# KiCad board LightRail_LPO_1.6T.kicad_pcb (continued)
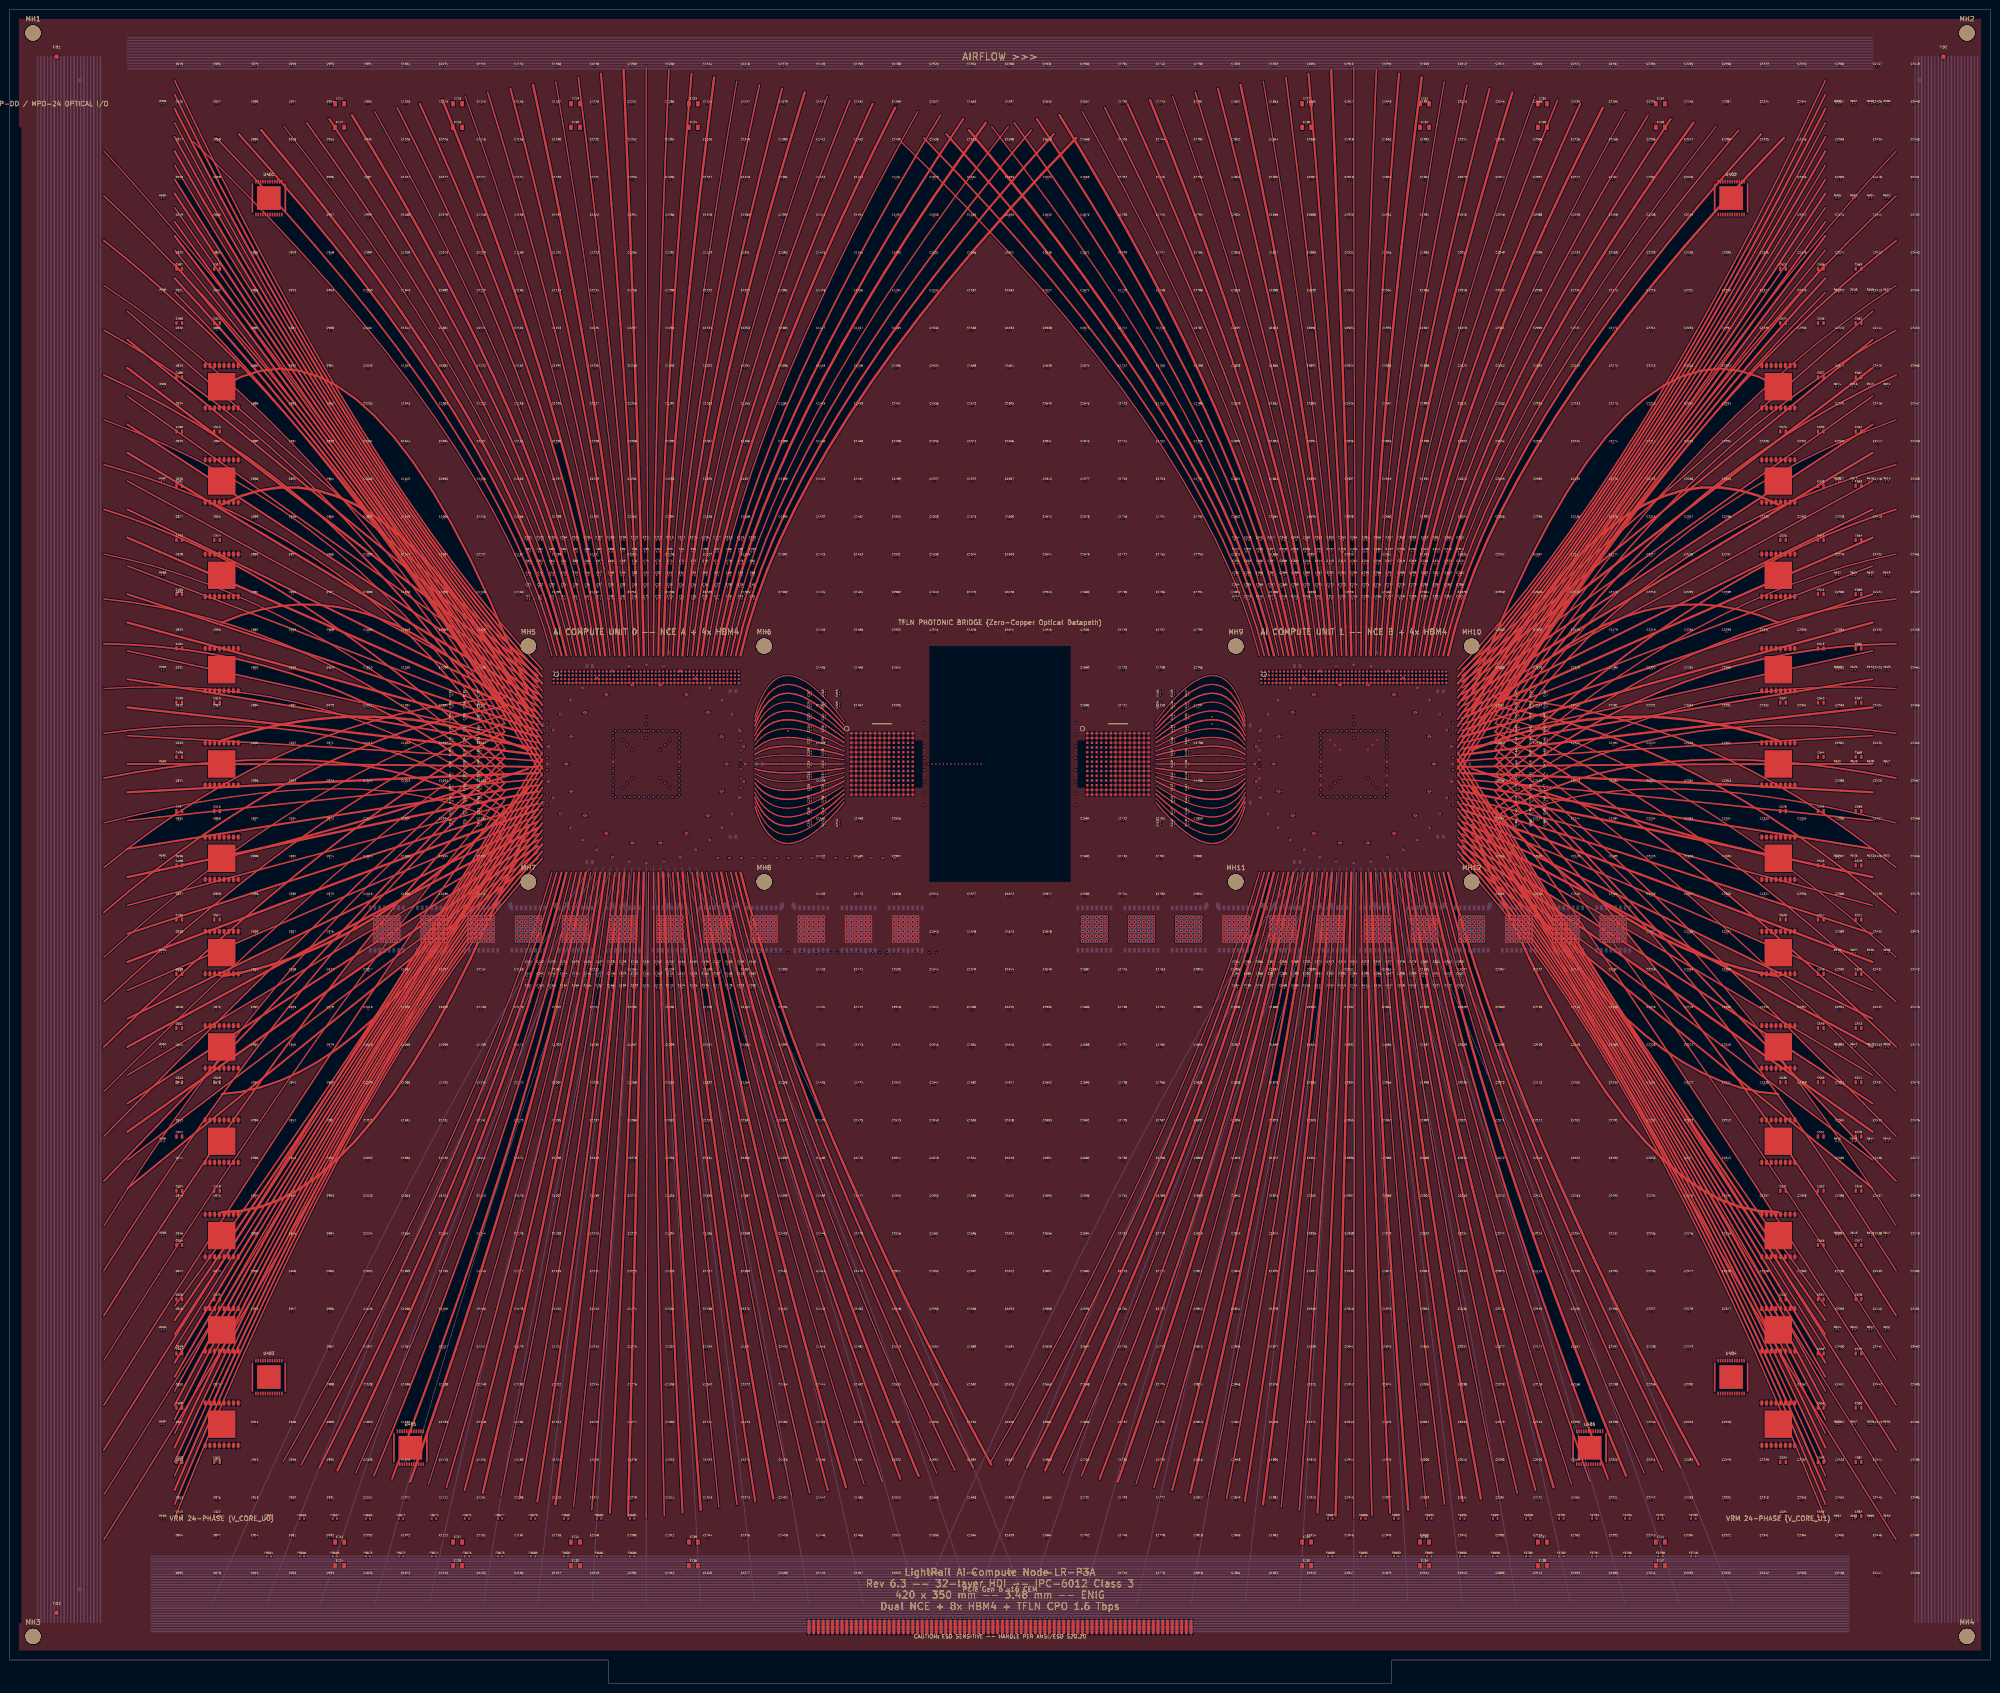
[diagram p0: board, top side]
## Routing (per net, layer and track width the routed paths; a pad name or vN(x,y) marks a point on that pad's centre or on a via; arc(x,y) is an arc through that point) (continued)
  In5.Cu w0.1: 64,190 110,190 64,190 ; 64,190 64,235 15,235 ; 64,190 64,75 15,75 ; 15,215 60,215 60,186 ; 62,192 62,245 15,245 ; 62,192 110,192 62,192 ; 62,192 62,85 15,85 ; 66,188 66,65 15,65 ; 66,188 110,188 66,188 ; 66,188 66,225 15,225 ; 172.8,15 172.8,24.92 173.55,25.16 173.55,25.64 172.05,26.12 172.05,26.6 173.55,27.08 173.55,27.56 172.8,27.8 172.8,32.92 173.55,33.16 173.55,33.64 172.05,34.12 172.05,34.6 173.55,35.08 173.55,35.56 172.8,35.8 172.8,40.92 173.55,41.16 173.55,41.64 172.05,42.12 172.05,42.6 173.55,43.08 173.55,43.56 172.8,43.8 172.8,48.92 173.55,49.16 173.55,49.64 172.05,50.12 172.05,50.6 173.55,51.08 173.55,51.56 172.8,51.8 172.8,56.92 173.55,57.16 173.55,57.64 172.05,58.12 172.05,58.6 173.55,59.08 173.55,59.56 172.8,59.8 172.8,64.92 173.55,65.16 173.55,65.64 172.05,66.12 172.05,66.6 173.55,67.08 173.55,67.56 172.8,67.8 172.8,72.92 173.55,73.16 173.55,73.64 172.05,74.12 172.05,74.6 173.55,75.08 173.55,75.56 172.8,75.8 172.8,80.92 173.55,81.16 173.55,81.64 172.05,82.12 172.05,82.6 173.55,83.08 173.55,83.56 172.8,83.8 172.8,88.92 173.55,89.16 173.55,89.64 172.05,90.12 172.05,90.6 173.55,91.08 173.55,91.56 172.8,91.8 172.8,96.92 173.55,97.16 173.55,97.64 172.05,98.12 172.05,98.6 173.55,99.08 173.55,99.56 172.8,99.8 172.8,104.92 173.55,105.16 173.55,105.64 172.05,106.12 172.05,106.6 173.55,107.08 173.55,107.56 172.8,107.8 172.8,112.92 173.55,113.16 173.55,113.64 172.05,114.12 172.05,114.6 173.55,115.08 173.55,115.56 172.8,115.8 172.8,120.92 173.55,121.16 173.55,121.64 172.05,122.12 172.05,122.6 173.55,123.08 173.55,123.56 172.8,123.8 172.8,128.92 173.55,129.16 173.55,129.64 172.05,130.12 172.05,130.6 173.55,131.08 173.55,131.56 172.8,131.8 172.8,136.92 173.55,137.16 173.55,137.64 172.05,138.12 172.05,138.6 173.55,139.08 173.55,139.56 172.8,139.8 172.8,144.92 173.55,145.16 173.55,145.64 172.05,146.12 172.05,146.6 173.55,147.08 173.55,147.56 172.8,147.8 172.8,152.92 173.55,153.16 173.55,153.64 172.05,154.12 172.05,154.6 173.55,155.08 173.55,155.56 172.8,155.8 172.8,160.92 173.55,161.16 173.55,161.64 172.05,162.12 172.05,162.6 173.55,163.08 173.55,163.56 172.8,163.8 172.8,168.92 173.55,169.16 173.55,169.64 172.05,170.12 172.05,170.6 173.55,171.08 173.55,171.56 172.8,171.8 v1(172.8,175) ; 60,202 60,135 15,135 ; 60,202 60,295 15,295 ; 60,202 110,202 60,202 ; 15,335 60,335 60,210 ; 62,200 110,200 62,200 ; 62,200 62,125 15,125 ; 62,200 62,285 15,285 ; 66,180 66,185 15,185 ; 66,180 110,180 66,180 ; 66,180 66,25 15,25 ; v1(225,14) 225,58 185,58 v1(185,175) 185,171.8 185.9,171.56 185.9,171.08 184.1,170.6 184.1,170.12 185.9,169.64 185.9,169.16 185,168.92 185,163.8 185.9,163.56 185.9,163.08 184.1,162.6 184.1,162.12 185.9,161.64 185.9,161.16 185,160.92 185,155.8 185.9,155.56 185.9,155.08 184.1,154.6 184.1,154.12 185.9,153.64 185.9,153.16 185,152.92 185,147.8 185.9,147.56 185.9,147.08 184.1,146.6 184.1,146.12 185.9,145.64 185.9,145.16 185,144.92 185,139.8 185.9,139.56 185.9,139.08 184.1,138.6 184.1,138.12 185.9,137.64 185.9,137.16 185,136.92 185,131.8 185.9,131.56 185.9,131.08 184.1,130.6 184.1,130.12 185.9,129.64 185.9,129.16 185,128.92 185,123.8 185.9,123.56 185.9,123.08 184.1,122.6 184.1,122.12 185.9,121.64 185.9,121.16 185,120.92 185,115.8 185.9,115.56 185.9,115.08 184.1,114.6 184.1,114.12 185.9,113.64 185.9,113.16 185,112.92 185,107.8 185.9,107.56 185.9,107.08 184.1,106.6 184.1,106.12 185.9,105.64 185.9,105.16 185,104.92 185,99.8 185.9,99.56 185.9,99.08 184.1,98.6 184.1,98.12 185.9,97.64 185.9,97.16 185,96.92 185,91.8 185.9,91.56 185.9,91.08 184.1,90.6 184.1,90.12 185.9,89.64 185.9,89.16 185,88.92 185,83.8 185.9,83.56 185.9,83.08 184.1,82.6 184.1,82.12 185.9,81.64 185.9,81.16 185,80.92 185,75.8 185.9,75.56 185.9,75.08 184.1,74.6 184.1,74.12 185.9,73.64 185.9,73.16 185,72.92 185,67.8 185.9,67.56 185.9,67.08 184.1,66.6 184.1,66.12 185.9,65.64 185.9,65.16 185,64.92 185,59.8 185.9,59.56 185.9,59.08 184.1,58.6 184.1,58.12 185.9,57.64 185.9,57.16 185,56.92 185,51.8 185.9,51.56 185.9,51.08 184.1,50.6 184.1,50.12 185.9,49.64 185.9,49.16 185,48.92 185,43.8 185.9,43.56 185.9,43.08 184.1,42.6 184.1,42.12 185.9,41.64 185.9,41.16 185,40.92 185,35.8 185.9,35.56 185.9,35.08 184.1,34.6 184.1,34.12 185.9,33.64 185.9,33.16 185,32.92 185,27.8 185.9,27.56 185.9,27.08 184.1,26.6 184.1,26.12 185.9,25.64 185.9,25.16 185,24.92 185,15 ; v2(290,190) 294,186 ; 62,184 62,205 15,205 ; 62,184 110,184 62,184 ; 62,184 62,45 15,45 ; 60,194 60,255 15,255 ; 60,194 110,194 60,194 ; 60,194 60,95 15,95 ; 66,196 66,105 15,105 ; 66,196 110,196 66,196 ; 66,196 66,265 15,265 ; 175.3,15 175.3,24.92 176.2,25.16 176.2,25.64 174.4,26.12 174.4,26.6 176.2,27.08 176.2,27.56 175.3,27.8 175.3,32.92 176.2,33.16 176.2,33.64 174.4,34.12 174.4,34.6 176.2,35.08 176.2,35.56 175.3,35.8 175.3,40.92 176.2,41.16 176.2,41.64 174.4,42.12 174.4,42.6 176.2,43.08 176.2,43.56 175.3,43.8 175.3,48.92 176.2,49.16 176.2,49.64 174.4,50.12 174.4,50.6 176.2,51.08 176.2,51.56 175.3,51.8 175.3,56.92 176.2,57.16 176.2,57.64 174.4,58.12 174.4,58.6 176.2,59.08 176.2,59.56 175.3,59.8 175.3,64.92 176.2,65.16 176.2,65.64 174.4,66.12 174.4,66.6 176.2,67.08 176.2,67.56 175.3,67.8 175.3,72.92 176.2,73.16 176.2,73.64 174.4,74.12 174.4,74.6 176.2,75.08 176.2,75.56 175.3,75.8 175.3,80.92 176.2,81.16 176.2,81.64 174.4,82.12 174.4,82.6 176.2,83.08 176.2,83.56 175.3,83.8 175.3,88.92 176.2,89.16 176.2,89.64 174.4,90.12 174.4,90.6 176.2,91.08 176.2,91.56 175.3,91.8 175.3,96.92 176.2,97.16 176.2,97.64 174.4,98.12 174.4,98.6 176.2,99.08 176.2,99.56 175.3,99.8 175.3,104.92 176.2,105.16 176.2,105.64 174.4,106.12 174.4,106.6 176.2,107.08 176.2,107.56 175.3,107.8 175.3,112.92 176.2,113.16 176.2,113.64 174.4,114.12 174.4,114.6 176.2,115.08 176.2,115.56 175.3,115.8 175.3,120.92 176.2,121.16 176.2,121.64 174.4,122.12 174.4,122.6 176.2,123.08 176.2,123.56 175.3,123.8 175.3,128.92 176.2,129.16 176.2,129.64 174.4,130.12 174.4,130.6 176.2,131.08 176.2,131.56 175.3,131.8 175.3,136.92 176.2,137.16 176.2,137.64 174.4,138.12 174.4,138.6 176.2,139.08 176.2,139.56 175.3,139.8 175.3,144.92 176.2,145.16 176.2,145.64 174.4,146.12 174.4,146.6 176.2,147.08 176.2,147.56 175.3,147.8 175.3,152.92 176.2,153.16 176.2,153.64 174.4,154.12 174.4,154.6 176.2,155.08 176.2,155.56 175.3,155.8 175.3,160.92 176.2,161.16 176.2,161.64 174.4,162.12 174.4,162.6 176.2,163.08 176.2,163.56 175.3,163.8 175.3,168.92 176.2,169.16 176.2,169.64 174.4,170.12 174.4,170.6 176.2,171.08 176.2,171.56 175.3,171.8 v1(175.3,175) ; 170.3,15 170.3,24.92 170.9,25.16 170.9,25.64 169.7,26.12 169.7,26.6 170.9,27.08 170.9,27.56 170.3,27.8 170.3,32.92 170.9,33.16 170.9,33.64 169.7,34.12 169.7,34.6 170.9,35.08 170.9,35.56 170.3,35.8 170.3,40.92 170.9,41.16 170.9,41.64 169.7,42.12 169.7,42.6 170.9,43.08 170.9,43.56 170.3,43.8 170.3,48.92 170.9,49.16 170.9,49.64 169.7,50.12 169.7,50.6 170.9,51.08 170.9,51.56 170.3,51.8 170.3,56.92 170.9,57.16 170.9,57.64 169.7,58.12 169.7,58.6 170.9,59.08 170.9,59.56 170.3,59.8 170.3,64.92 170.9,65.16 170.9,65.64 169.7,66.12 169.7,66.6 170.9,67.08 170.9,67.56 170.3,67.8 170.3,72.92 170.9,73.16 170.9,73.64 169.7,74.12 169.7,74.6 170.9,75.08 170.9,75.56 170.3,75.8 170.3,80.92 170.9,81.16 170.9,81.64 169.7,82.12 169.7,82.6 170.9,83.08 170.9,83.56 170.3,83.8 170.3,88.92 170.9,89.16 170.9,89.64 169.7,90.12 169.7,90.6 170.9,91.08 170.9,91.56 170.3,91.8 170.3,96.92 170.9,97.16 170.9,97.64 169.7,98.12 169.7,98.6 170.9,99.08 170.9,99.56 170.3,99.8 170.3,104.92 170.9,105.16 170.9,105.64 169.7,106.12 169.7,106.6 170.9,107.08 170.9,107.56 170.3,107.8 170.3,112.92 170.9,113.16 170.9,113.64 169.7,114.12 169.7,114.6 170.9,115.08 170.9,115.56 170.3,115.8 170.3,120.92 170.9,121.16 170.9,121.64 169.7,122.12 169.7,122.6 170.9,123.08 170.9,123.56 170.3,123.8 170.3,128.92 170.9,129.16 170.9,129.64 169.7,130.12 169.7,130.6 170.9,131.08 170.9,131.56 170.3,131.8 170.3,136.92 170.9,137.16 170.9,137.64 169.7,138.12 169.7,138.6 170.9,139.08 170.9,139.56 170.3,139.8 170.3,144.92 170.9,145.16 170.9,145.64 169.7,146.12 169.7,146.6 170.9,147.08 170.9,147.56 170.3,147.8 170.3,152.92 170.9,153.16 170.9,153.64 169.7,154.12 169.7,154.6 170.9,155.08 170.9,155.56 170.3,155.8 170.3,160.92 170.9,161.16 170.9,161.64 169.7,162.12 169.7,162.6 170.9,163.08 170.9,163.56 170.3,163.8 170.3,168.92 170.9,169.16 170.9,169.64 169.7,170.12 169.7,170.6 170.9,171.08 170.9,171.56 170.3,171.8 v1(170.3,175) ; v1(160.3,175) 160.3,171.8 160.9,171.56 160.9,171.08 159.7,170.6 159.7,170.12 160.9,169.64 160.9,169.16 160.3,168.92 160.3,163.8 160.9,163.56 160.9,163.08 159.7,162.6 159.7,162.12 160.9,161.64 160.9,161.16 160.3,160.92 160.3,155.8 160.9,155.56 160.9,155.08 159.7,154.6 159.7,154.12 160.9,153.64 160.9,153.16 160.3,152.92 160.3,147.8 160.9,147.56 160.9,147.08 159.7,146.6 159.7,146.12 160.9,145.64 160.9,145.16 160.3,144.92 160.3,139.8 160.9,139.56 160.9,139.08 159.7,138.6 159.7,138.12 160.9,137.64 160.9,137.16 160.3,136.92 160.3,131.8 160.9,131.56 160.9,131.08 159.7,130.6 159.7,130.12 160.9,129.64 160.9,129.16 160.3,128.92 160.3,123.8 160.9,123.56 160.9,123.08 159.7,122.6 159.7,122.12 160.9,121.64 160.9,121.16 160.3,120.92 160.3,115.8 160.9,115.56 160.9,115.08 159.7,114.6 159.7,114.12 160.9,113.64 160.9,113.16 160.3,112.92 160.3,107.8 160.9,107.56 160.9,107.08 159.7,106.6 159.7,106.12 160.9,105.64 160.9,105.16 160.3,104.92 160.3,99.8 160.9,99.56 160.9,99.08 159.7,98.6 159.7,98.12 160.9,97.64 160.9,97.16 160.3,96.92 160.3,91.8 160.9,91.56 160.9,91.08 159.7,90.6 159.7,90.12 160.9,89.64 160.9,89.16 160.3,88.92 160.3,83.8 160.9,83.56 160.9,83.08 159.7,82.6 159.7,82.12 160.9,81.64 160.9,81.16 160.3,80.92 160.3,75.8 160.9,75.56 160.9,75.08 159.7,74.6 159.7,74.12 160.9,73.64 160.9,73.16 160.3,72.92 160.3,67.8 160.9,67.56 160.9,67.08 159.7,66.6 159.7,66.12 160.9,65.64 160.9,65.16 160.3,64.92 160.3,59.8 160.9,59.56 160.9,59.08 159.7,58.6 159.7,58.12 160.9,57.64 160.9,57.16 160.3,56.92 160.3,51.8 160.9,51.56 160.9,51.08 159.7,50.6 159.7,50.12 160.9,49.64 160.9,49.16 160.3,48.92 160.3,43.8 160.9,43.56 160.9,43.08 159.7,42.6 159.7,42.12 160.9,41.64 160.9,41.16 160.3,40.92 160.3,35.8 160.9,35.56 160.9,35.08 159.7,34.6 159.7,34.12 160.9,33.64 160.9,33.16 160.3,32.92 160.3,27.8 160.9,27.56 160.9,27.08 159.7,26.6 159.7,26.12 160.9,25.64 160.9,25.16 160.3,24.92 160.3,15 ; v1(205,14) 205,58 165,58 v1(165,175) 165,171.8 165.9,171.56 165.9,171.08 164.1,170.6 164.1,170.12 165.9,169.64 165.9,169.16 165,168.92 165,163.8 165.9,163.56 165.9,163.08 164.1,162.6 164.1,162.12 165.9,161.64 165.9,161.16 165,160.92 165,155.8 165.9,155.56 165.9,155.08 164.1,154.6 164.1,154.12 165.9,153.64 165.9,153.16 165,152.92 165,147.8 165.9,147.56 165.9,147.08 164.1,146.6 164.1,146.12 165.9,145.64 165.9,145.16 165,144.92 165,139.8 165.9,139.56 165.9,139.08 164.1,138.6 164.1,138.12 165.9,137.64 165.9,137.16 165,136.92 165,131.8 165.9,131.56 165.9,131.08 164.1,130.6 164.1,130.12 165.9,129.64 165.9,129.16 165,128.92 165,123.8 165.9,123.56 165.9,123.08 164.1,122.6 164.1,122.12 165.9,121.64 165.9,121.16 165,120.92 165,115.8 165.9,115.56 165.9,115.08 164.1,114.6 164.1,114.12 165.9,113.64 165.9,113.16 165,112.92 165,107.8 165.9,107.56 165.9,107.08 164.1,106.6 164.1,106.12 165.9,105.64 165.9,105.16 165,104.92 165,99.8 165.9,99.56 165.9,99.08 164.1,98.6 164.1,98.12 165.9,97.64 165.9,97.16 165,96.92 165,91.8 165.9,91.56 165.9,91.08 164.1,90.6 164.1,90.12 165.9,89.64 165.9,89.16 165,88.92 165,83.8 165.9,83.56 165.9,83.08 164.1,82.6 164.1,82.12 165.9,81.64 165.9,81.16 165,80.92 165,75.8 165.9,75.56 165.9,75.08 164.1,74.6 164.1,74.12 165.9,73.64 165.9,73.16 165,72.92 165,67.8 165.9,67.56 165.9,67.08 164.1,66.6 164.1,66.12 165.9,65.64 165.9,65.16 165,64.92 165,59.8 165.9,59.56 165.9,59.08 164.1,58.6 164.1,58.12 165.9,57.64 165.9,57.16 165,56.92 165,51.8 165.9,51.56 165.9,51.08 164.1,50.6 164.1,50.12 165.9,49.64 165.9,49.16 165,48.92 165,43.8 165.9,43.56 165.9,43.08 164.1,42.6 164.1,42.12 165.9,41.64 165.9,41.16 165,40.92 165,35.8 165.9,35.56 165.9,35.08 164.1,34.6 164.1,34.12 165.9,33.64 165.9,33.16 165,32.92 165,27.8 165.9,27.56 165.9,27.08 164.1,26.6 164.1,26.12 165.9,25.64 165.9,25.16 165,24.92 165,15 ; v1(167.8,175) 167.8,171.8 168.85,171.56 168.85,171.08 166.75,170.6 166.75,170.12 168.85,169.64 168.85,169.16 167.8,168.92 167.8,163.8 168.85,163.56 168.85,163.08 166.75,162.6 166.75,162.12 168.85,161.64 168.85,161.16 167.8,160.92 167.8,155.8 168.85,155.56 168.85,155.08 166.75,154.6 166.75,154.12 168.85,153.64 168.85,153.16 167.8,152.92 167.8,147.8 168.85,147.56 168.85,147.08 166.75,146.6 166.75,146.12 168.85,145.64 168.85,145.16 167.8,144.92 167.8,139.8 168.85,139.56 168.85,139.08 166.75,138.6 166.75,138.12 168.85,137.64 168.85,137.16 167.8,136.92 167.8,131.8 168.85,131.56 168.85,131.08 166.75,130.6 166.75,130.12 168.85,129.64 168.85,129.16 167.8,128.92 167.8,123.8 168.85,123.56 168.85,123.08 166.75,122.6 166.75,122.12 168.85,121.64 168.85,121.16 167.8,120.92 167.8,115.8 168.85,115.56 168.85,115.08 166.75,114.6 166.75,114.12 168.85,113.64 168.85,113.16 167.8,112.92 167.8,107.8 168.85,107.56 168.85,107.08 166.75,106.6 166.75,106.12 168.85,105.64 168.85,105.16 167.8,104.92 167.8,99.8 168.85,99.56 168.85,99.08 166.75,98.6 166.75,98.12 168.85,97.64 168.85,97.16 167.8,96.92 167.8,91.8 168.85,91.56 168.85,91.08 166.75,90.6 166.75,90.12 168.85,89.64 168.85,89.16 167.8,88.92 167.8,83.8 168.85,83.56 168.85,83.08 166.75,82.6 166.75,82.12 168.85,81.64 168.85,81.16 167.8,80.92 167.8,75.8 168.85,75.56 168.85,75.08 166.75,74.6 166.75,74.12 168.85,73.64 168.85,73.16 167.8,72.92 167.8,67.8 168.85,67.56 168.85,67.08 166.75,66.6 166.75,66.12 168.85,65.64 168.85,65.16 167.8,64.92 167.8,59.8 168.85,59.56 168.85,59.08 166.75,58.6 166.75,58.12 168.85,57.64 168.85,57.16 167.8,56.92 167.8,51.8 168.85,51.56 168.85,51.08 166.75,50.6 166.75,50.12 168.85,49.64 168.85,49.16 167.8,48.92 167.8,43.8 168.85,43.56 168.85,43.08 166.75,42.6 166.75,42.12 168.85,41.64 168.85,41.16 167.8,40.92 167.8,35.8 168.85,35.56 168.85,35.08 166.75,34.6 166.75,34.12 168.85,33.64 168.85,33.16 167.8,32.92 167.8,27.8 168.85,27.56 168.85,27.08 166.75,26.6 166.75,26.12 168.85,25.64 168.85,25.16 167.8,24.92 167.8,15 ; 177.8,15 177.8,24.92 178.85,25.16 178.85,25.64 176.75,26.12 176.75,26.6 178.85,27.08 178.85,27.56 177.8,27.8 177.8,32.92 178.85,33.16 178.85,33.64 176.75,34.12 176.75,34.6 178.85,35.08 178.85,35.56 177.8,35.8 177.8,40.92 178.85,41.16 178.85,41.64 176.75,42.12 176.75,42.6 178.85,43.08 178.85,43.56 177.8,43.8 177.8,48.92 178.85,49.16 178.85,49.64 176.75,50.12 176.75,50.6 178.85,51.08 178.85,51.56 177.8,51.8 177.8,56.92 178.85,57.16 178.85,57.64 176.75,58.12 176.75,58.6 178.85,59.08 178.85,59.56 177.8,59.8 177.8,64.92 178.85,65.16 178.85,65.64 176.75,66.12 176.75,66.6 178.85,67.08 178.85,67.56 177.8,67.8 177.8,72.92 178.85,73.16 178.85,73.64 176.75,74.12 176.75,74.6 178.85,75.08 178.85,75.56 177.8,75.8 177.8,80.92 178.85,81.16 178.85,81.64 176.75,82.12 176.75,82.6 178.85,83.08 178.85,83.56 177.8,83.8 177.8,88.92 178.85,89.16 178.85,89.64 176.75,90.12 176.75,90.6 178.85,91.08 178.85,91.56 177.8,91.8 177.8,96.92 178.85,97.16 178.85,97.64 176.75,98.12 176.75,98.6 178.85,99.08 178.85,99.56 177.8,99.8 177.8,104.92 178.85,105.16 178.85,105.64 176.75,106.12 176.75,106.6 178.85,107.08 178.85,107.56 177.8,107.8 177.8,112.92 178.85,113.16 178.85,113.64 176.75,114.12 176.75,114.6 178.85,115.08 178.85,115.56 177.8,115.8 177.8,120.92 178.85,121.16 178.85,121.64 176.75,122.12 176.75,122.6 178.85,123.08 178.85,123.56 177.8,123.8 177.8,128.92 178.85,129.16 178.85,129.64 176.75,130.12 176.75,130.6 178.85,131.08 178.85,131.56 177.8,131.8 177.8,136.92 178.85,137.16 178.85,137.64 176.75,138.12 176.75,138.6 178.85,139.08 178.85,139.56 177.8,139.8 177.8,144.92 178.85,145.16 178.85,145.64 176.75,146.12 176.75,146.6 178.85,147.08 178.85,147.56 177.8,147.8 177.8,152.92 178.85,153.16 178.85,153.64 176.75,154.12 176.75,154.6 178.85,155.08 178.85,155.56 177.8,155.8 177.8,160.92 178.85,161.16 178.85,161.64 176.75,162.12 176.75,162.6 178.85,163.08 178.85,163.56 177.8,163.8 177.8,168.92 178.85,169.16 178.85,169.64 176.75,170.12 176.75,170.6 178.85,171.08 178.85,171.56 177.8,171.8 v1(177.8,175) ; 150.3,15 150.3,24.92 150.9,25.16 150.9,25.64 149.7,26.12 149.7,26.6 150.9,27.08 150.9,27.56 150.3,27.8 150.3,32.92 150.9,33.16 150.9,33.64 149.7,34.12 149.7,34.6 150.9,35.08 150.9,35.56 150.3,35.8 150.3,40.92 150.9,41.16 150.9,41.64 149.7,42.12 149.7,42.6 150.9,43.08 150.9,43.56 150.3,43.8 150.3,48.92 150.9,49.16 150.9,49.64 149.7,50.12 149.7,50.6 150.9,51.08 150.9,51.56 150.3,51.8 150.3,56.92 150.9,57.16 150.9,57.64 149.7,58.12 149.7,58.6 150.9,59.08 150.9,59.56 150.3,59.8 150.3,64.92 150.9,65.16 150.9,65.64 149.7,66.12 149.7,66.6 150.9,67.08 150.9,67.56 150.3,67.8 150.3,72.92 150.9,73.16 150.9,73.64 149.7,74.12 149.7,74.6 150.9,75.08 150.9,75.56 150.3,75.8 150.3,80.92 150.9,81.16 150.9,81.64 149.7,82.12 149.7,82.6 150.9,83.08 150.9,83.56 150.3,83.8 150.3,88.92 150.9,89.16 150.9,89.64 149.7,90.12 149.7,90.6 150.9,91.08 150.9,91.56 150.3,91.8 150.3,96.92 150.9,97.16 150.9,97.64 149.7,98.12 149.7,98.6 150.9,99.08 150.9,99.56 150.3,99.8 150.3,104.92 150.9,105.16 150.9,105.64 149.7,106.12 149.7,106.6 150.9,107.08 150.9,107.56 150.3,107.8 150.3,112.92 150.9,113.16 150.9,113.64 149.7,114.12 149.7,114.6 150.9,115.08 150.9,115.56 150.3,115.8 150.3,120.92 150.9,121.16 150.9,121.64 149.7,122.12 149.7,122.6 150.9,123.08 150.9,123.56 150.3,123.8 150.3,128.92 150.9,129.16 150.9,129.64 149.7,130.12 149.7,130.6 150.9,131.08 150.9,131.56 150.3,131.8 150.3,136.92 150.9,137.16 150.9,137.64 149.7,138.12 149.7,138.6 150.9,139.08 150.9,139.56 150.3,139.8 150.3,144.92 150.9,145.16 150.9,145.64 149.7,146.12 149.7,146.6 150.9,147.08 150.9,147.56 150.3,147.8 150.3,152.92 150.9,153.16 150.9,153.64 149.7,154.12 149.7,154.6 150.9,155.08 150.9,155.56 150.3,155.8 150.3,160.92 150.9,161.16 150.9,161.64 149.7,162.12 149.7,162.6 150.9,163.08 150.9,163.56 150.3,163.8 150.3,168.92 150.9,169.16 150.9,169.64 149.7,170.12 149.7,170.6 150.9,171.08 150.9,171.56 150.3,171.8 v1(150.3,175) ; 62,208 110,208 62,208 ; 62,208 62,165 15,165 ; 62,208 62,325 15,325 ; 170,55 v1(170,175) 170,171.8 170.6,171.56 170.6,171.08 169.4,170.6 169.4,170.12 170.6,169.64 170.6,169.16 170,168.92 170,163.8 170.6,163.56 170.6,163.08 169.4,162.6 169.4,162.12 170.6,161.64 170.6,161.16 170,160.92 170,155.8 170.6,155.56 170.6,155.08 169.4,154.6 169.4,154.12 170.6,153.64 170.6,153.16 170,152.92 170,147.8 170.6,147.56 170.6,147.08 169.4,146.6 169.4,146.12 170.6,145.64 170.6,145.16 170,144.92 170,139.8 170.6,139.56 170.6,139.08 169.4,138.6 169.4,138.12 170.6,137.64 170.6,137.16 170,136.92 170,131.8 170.6,131.56 170.6,131.08 169.4,130.6 169.4,130.12 170.6,129.64 170.6,129.16 170,128.92 170,123.8 170.6,123.56 170.6,123.08 169.4,122.6 169.4,122.12 170.6,121.64 170.6,121.16 170,120.92 170,115.8 170.6,115.56 170.6,115.08 169.4,114.6 169.4,114.12 170.6,113.64 170.6,113.16 170,112.92 170,107.8 170.6,107.56 170.6,107.08 169.4,106.6 169.4,106.12 170.6,105.64 170.6,105.16 170,104.92 170,99.8 170.6,99.56 170.6,99.08 169.4,98.6 169.4,98.12 170.6,97.64 170.6,97.16 170,96.92 170,91.8 170.6,91.56 170.6,91.08 169.4,90.6 169.4,90.12 170.6,89.64 170.6,89.16 170,88.92 170,83.8 170.6,83.56 170.6,83.08 169.4,82.6 169.4,82.12 170.6,81.64 170.6,81.16 170,80.92 170,75.8 170.6,75.56 170.6,75.08 169.4,74.6 169.4,74.12 170.6,73.64 170.6,73.16 170,72.92 170,67.8 170.6,67.56 170.6,67.08 169.4,66.6 169.4,66.12 170.6,65.64 170.6,65.16 170,64.92 170,59.8 170.6,59.56 170.6,59.08 169.4,58.6 169.4,58.12 170.6,57.64 170.6,57.16 170,56.92 170,55 ; 170,55 210,55 v1(210,14) ; 170,55 170,51.8 170.6,51.56 170.6,51.08 169.4,50.6 169.4,50.12 170.6,49.64 170.6,49.16 170,48.92 170,43.8 170.6,43.56 170.6,43.08 169.4,42.6 169.4,42.12 170.6,41.64 170.6,41.16 170,40.92 170,35.8 170.6,35.56 170.6,35.08 169.4,34.6 169.4,34.12 170.6,33.64 170.6,33.16 170,32.92 170,27.8 170.6,27.56 170.6,27.08 169.4,26.6 169.4,26.12 170.6,25.64 170.6,25.16 170,24.92 170,15 ; 187.5,15 187.5,24.92 188.55,25.16 188.55,25.64 186.45,26.12 186.45,26.6 188.55,27.08 188.55,27.56 187.5,27.8 187.5,32.92 188.55,33.16 188.55,33.64 186.45,34.12 186.45,34.6 188.55,35.08 188.55,35.56